# KiCad board trifecta.kicad_pcb
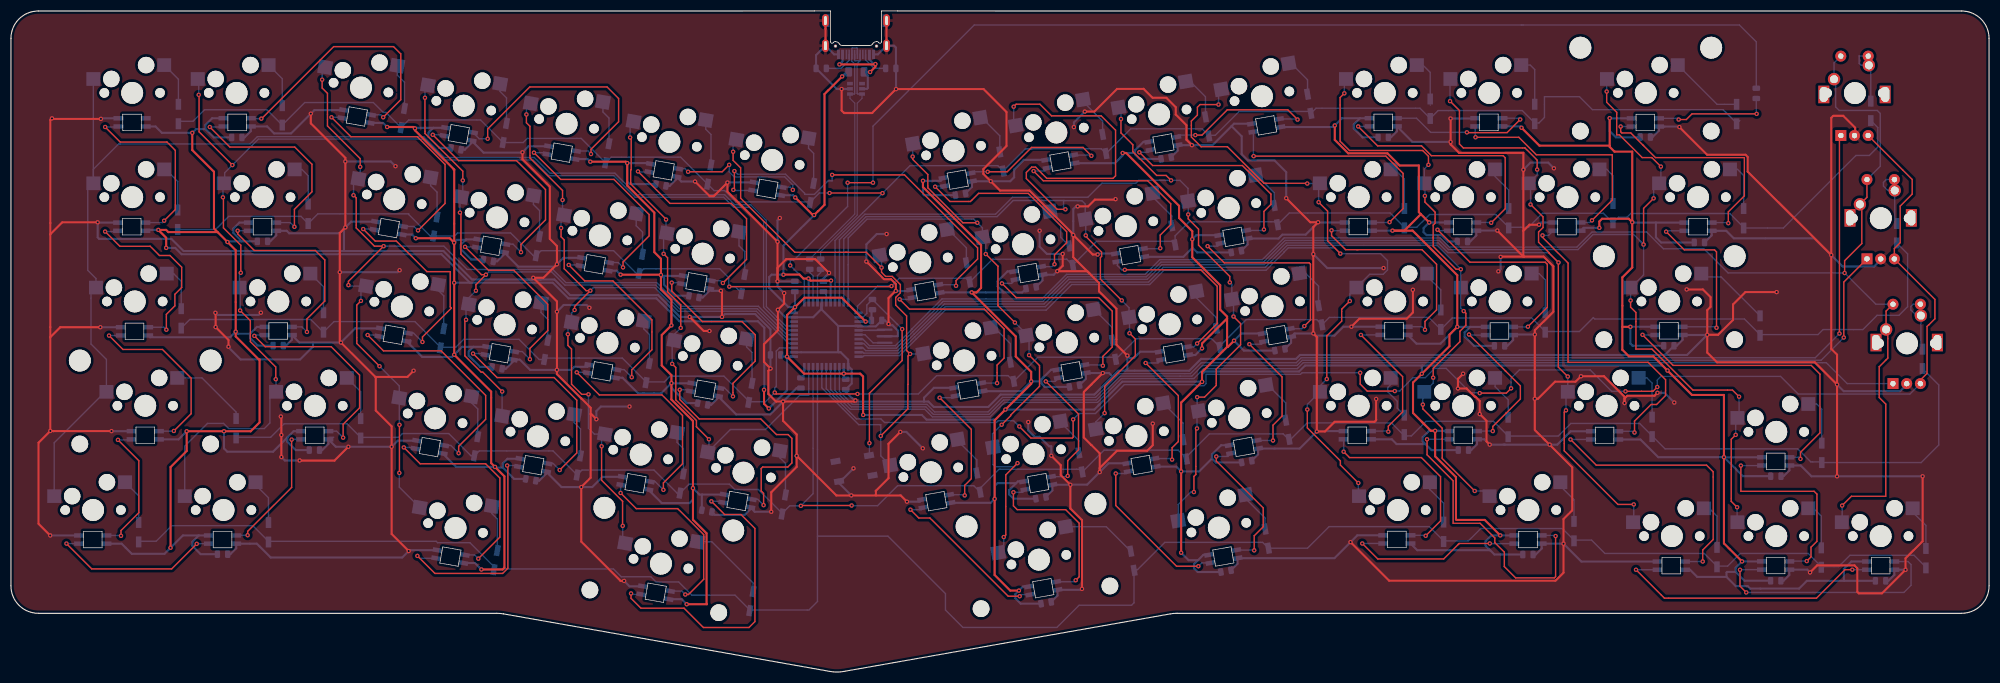
[diagram p0: board, top side]
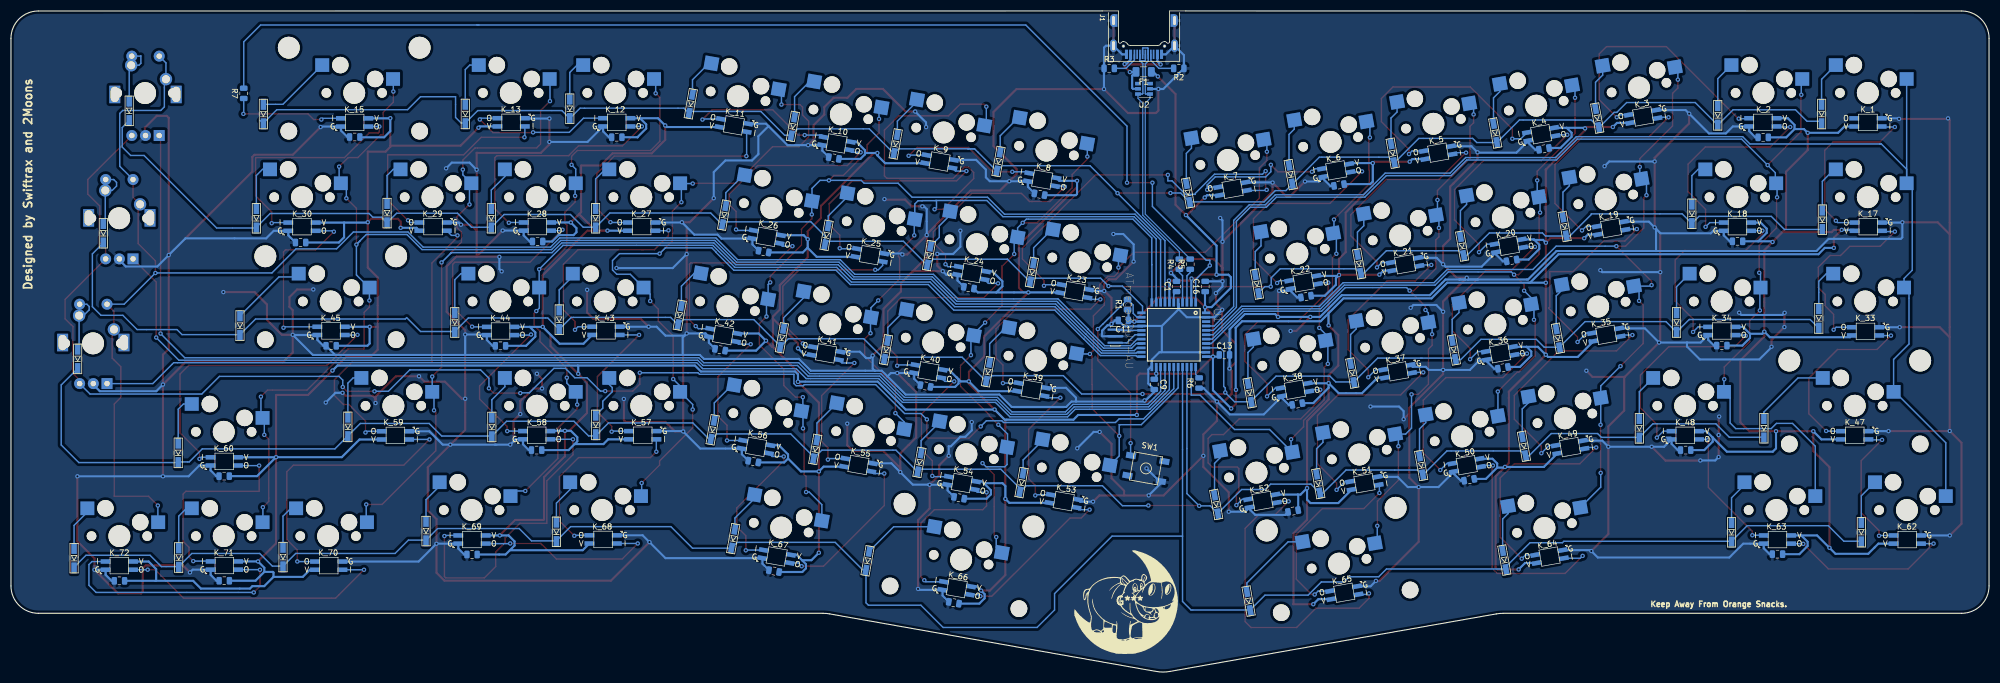
[diagram p1: board, bottom side, seen from below]

Outline 360.99 x 120.76 mm; copper layers: Top, Bottom. Coordinates in mm from the lower left corner of the outline.
Outline path: 146.6,120.76 5,120.75 arc(1.46,119.29) 0,115.75 0,15.73 arc(1.46,12.19) 5,10.73 88.68,10.73 arc(89.29,10.7) 89.9,10.62 149.52,0.11 arc(150.73,0) 151.95,0.11 211.57,10.62 arc(212.18,10.7) 212.79,10.73 355.99,10.73 arc(359.53,12.19) 360.99,15.73 360.99,115.75 arc(359.53,119.29) 355.99,120.75 161.84,120.76

## Placement (name value [footprint] x y rotation side)
C1  1uF  [C_0805_2012Metric]  148.28 70.43 90 bottom
C2  0.1uF  [C_0805_2012Metric]  41.22 97.67 0 bottom
C4  0.1uF  [C_0805_2012Metric]  81.22 95.58 350 bottom
C6  0.1uF  [C_0805_2012Metric]  118.62 88.97 350 bottom
C8  0.1uF  [C_0805_2012Metric]  173.28 87.28 10 bottom
C9  0.1uF  [C_0805_2012Metric]  152.34 52.55 270 bottom
C10  0.1uF  [C_0805_2012Metric]  210.82 93.9 10 bottom
C11  0.1uF  [C_0805_2012Metric]  157.98 64.23 0 bottom
C12  0.1uF  [C_0805_2012Metric]  250.43 97.69 0 bottom
C13  0.1uF  [C_0805_2012Metric]  139.54 57.93 180 bottom
C15  0.1uF  [C_0805_2012Metric]  298.26 97.73 0 bottom
C16  10uF  [C_0805_2012Metric]  143.05 70.43 90 bottom
C18  0.1uF  [C_0805_2012Metric]  45.9 78.68 0 bottom
C20  0.1uF  [C_0805_2012Metric]  87.13 75.19 350 bottom
C22  0.1uF  [C_0805_2012Metric]  124.65 68.59 350 bottom
C24  0.1uF  [C_0805_2012Metric]  186.17 70.21 10 bottom
C26  0.1uF  [C_0805_2012Metric]  223.63 76.81 10 bottom
C28  0.1uF  [C_0805_2012Metric]  264.89 78.64 0 bottom
C30  0.1uF  [C_0805_2012Metric]  308.14 78.47 0 bottom
C34  0.1uF  [C_0805_2012Metric]  48.77 59.63 0 bottom
C36  0.1uF  [C_0805_2012Metric]  88.71 55.57 350 bottom
C38  0.1uF  [C_0805_2012Metric]  126.24 48.97 350 bottom
C40  0.1uF  [C_0805_2012Metric]  194.1 52.25 10 bottom
C42  0.1uF  [C_0805_2012Metric]  231.58 58.88 10 bottom
C44  0.1uF  [C_0805_2012Metric]  271.66 59.59 0 bottom
C45  0.1uF  [C_0805_2012Metric]  302.56 59.6 0 bottom
C48  0.1uF  [C_0805_2012Metric]  55.38 40.54 0 bottom
C50  0.1uF  [C_0805_2012Metric]  94.87 35.12 350 bottom
C52  0.1uF  [C_0805_2012Metric]  127 29.41 350 bottom
C54  0.1uF  [C_0805_2012Metric]  187.96 31.83 10 bottom
C56  0.1uF  [C_0805_2012Metric]  225.52 38.45 10 bottom
C58  0.1uF  [C_0805_2012Metric]  265.07 40.55 0 bottom
C60  0.1uF  [C_0805_2012Metric]  322.08 35.79 0 bottom
C63  0.1uF  [C_0805_2012Metric]  38.61 21.53 0 bottom
C66  0.1uF  [C_0805_2012Metric]  188.91 12.66 10 bottom
C67  0.1uF  [C_0805_2012Metric]  221.73 18.44 10 bottom
C69  0.1uF  [C_0805_2012Metric]  276.84 21.47 0 bottom
C71  0.1uF  [C_0805_2012Metric]  322.07 16.68 0 bottom
C72  0.1uF  [C_0805_2012Metric]  341.2 16.66 0 bottom
D_1  D  [D3_SMD_v2]  30.56 101.93 90 bottom
D_2  D  [D3_SMD_v2]  49.51 101.69 90 bottom
D_3  D  [D3_SMD_v2]  71.51 101.2 80 bottom
D_4  D  [D3_SMD_v2]  90.13 98.48 80 bottom
D_5  D  [D3_SMD_v2]  108.83 94.77 80 bottom
D_6  D  [D3_SMD_v2]  127.45 90.88 80 bottom
D_7  D  [D3_SMD_v2]  146.18 87.51 80 bottom
D_8  D  [D3_SMD_v2]  180.77 93.26 100 bottom
D_9  D  [D3_SMD_v2]  199.53 96.46 100 bottom
D_10  D  [D3_SMD_v2]  218.3 99.67 100 bottom
D_11  D  [D3_SMD_v2]  236.92 103.81 100 bottom
D_12  D  [D3_SMD_v2]  259.01 102.9 90 bottom
D_13  D  [D3_SMD_v2]  278.08 101.94 90 bottom
D_15  D  [D3_SMD_v2]  314.92 101.93 90 bottom
D_17  D  [D3_SMD_v2]  30.42 82.62 90 bottom
D_18  D  [D3_SMD_v2]  54.24 83.71 90 bottom
D_19  D  [D3_SMD_v2]  77.45 81.4 80 bottom
D_20  D  [D3_SMD_v2]  96.16 77.82 80 bottom
D_21  D  [D3_SMD_v2]  114.95 74.57 80 bottom
D_22  D  [D3_SMD_v2]  133.61 70.87 80 bottom
D_23  D  [D3_SMD_v2]  174.67 73 100 bottom
D_24  D  [D3_SMD_v2]  193.46 76.08 100 bottom
D_25  D  [D3_SMD_v2]  212.15 79.78 100 bottom
D_26  D  [D3_SMD_v2]  230.85 83.46 100 bottom
D_27  D  [D3_SMD_v2]  254.3 82.9 90 bottom
D_28  D  [D3_SMD_v2]  273.33 82.9 90 bottom
D_29  D  [D3_SMD_v2]  292.36 83.83 90 bottom
D_30  D  [D3_SMD_v2]  316.21 82.89 90 bottom
D_31  D  [D3_SMD_v2]  339.41 102.51 90 bottom
D_33  D  [D3_SMD_v2]  31.07 64.6 90 bottom
D_34  D  [D3_SMD_v2]  57.03 63.86 90 bottom
D_35  D  [D3_SMD_v2]  78.68 60.97 80 bottom
D_36  D  [D3_SMD_v2]  97.67 58.84 80 bottom
D_37  D  [D3_SMD_v2]  116.21 54.62 80 bottom
D_38  D  [D3_SMD_v2]  134.94 51 80 bottom
D_39  D  [D3_SMD_v2]  182.7 54.85 100 bottom
D_40  D  [D3_SMD_v2]  201.29 58.87 100 bottom
D_41  D  [D3_SMD_v2]  220.3 61.06 100 bottom
D_42  D  [D3_SMD_v2]  238.94 65.18 100 bottom
D_43  D  [D3_SMD_v2]  260.94 64.37 90 bottom
D_44  D  [D3_SMD_v2]  280 63.86 90 bottom
D_45  D  [D3_SMD_v2]  319.2 63.29 90 bottom
D_46  D  [D3_SMD_v2]  344.14 80.16 90 bottom
D_47  D  [D3_SMD_v2]  41.09 44.54 90 bottom
D_48  D  [D3_SMD_v2]  63.82 44.52 90 bottom
D_49  D  [D3_SMD_v2]  84.88 41.25 80 bottom
D_50  D  [D3_SMD_v2]  103.63 37.75 80 bottom
D_51  D  [D3_SMD_v2]  122.41 34.44 80 bottom
D_52  D  [D3_SMD_v2]  141.04 30.61 80 bottom
D_53  D  [D3_SMD_v2]  176.58 34.61 100 bottom
D_54  D  [D3_SMD_v2]  195.2 38.3 100 bottom
D_55  D  [D3_SMD_v2]  214.21 40.67 100 bottom
D_56  D  [D3_SMD_v2]  232.95 44.25 100 bottom
D_57  D  [D3_SMD_v2]  254.28 45.14 90 bottom
D_58  D  [D3_SMD_v2]  273.23 44.77 90 bottom
D_59  D  [D3_SMD_v2]  299.51 44.78 90 bottom
D_60  D  [D3_SMD_v2]  330.47 40.04 90 bottom
D_61  D  [D3_SMD_v2]  348.83 57.21 90 bottom
D_62  D  [D3_SMD_v2]  23.31 25.55 90 bottom
D_63  D  [D3_SMD_v2]  46.99 25.53 90 bottom
D_64  D  [D3_SMD_v2]  88.46 20.45 80 bottom
D_65  D  [D3_SMD_v2]  135.13 12.96 80 bottom
D_66  D  [D3_SMD_v2]  204.67 20.33 100 bottom
D_67  D  [D3_SMD_v2]  229.18 24.37 100 bottom
D_68  D  [D3_SMD_v2]  261.45 25.61 90 bottom
D_69  D  [D3_SMD_v2]  285.25 25.75 90 bottom
D_70  D  [D3_SMD_v2]  311.35 21 90 bottom
D_71  D  [D3_SMD_v2]  330.38 20.91 90 bottom
D_72  D  [D3_SMD_v2]  349.47 20.8 90 bottom
F1  500mA  [Fuse_1206_3216Metric]  154.28 109.64 0 bottom
G***  LOGO  [image1]  156.84 12.99 180 bottom
J1  USB2_C_Receptacle  [Mid_Mount-USB_C_HandSoldering]  154.22 120.76 90 bottom
K_1  KEYSW  [MXOnly-1U-Hotswap]  22.12 105.79 0 top
K_2  KEYSW  [MXOnly-1U-Hotswap]  41.17 105.79 0 top
K_3  KEYSW  [MXOnly-1U-Hotswap]  63.88 106.76 350 top
K_4  KEYSW  [MXOnly-1U-Hotswap]  82.64 103.46 350 top
K_5  KEYSW  [MXOnly-1U-Hotswap]  101.4 100.15 350 top
K_6  KEYSW  [MXOnly-1U-Hotswap]  120.16 96.84 350 top
K_7  KEYSW  [MXOnly-1U-Hotswap]  138.92 93.53 350 top
K_8  KEYSW  [MXOnly-1U-Hotswap]  172.02 95.26 10 top
K_9  KEYSW  [MXOnly-1U-Hotswap]  190.78 98.56 10 top
K_10  KEYSW  [MXOnly-1U-Hotswap]  209.54 101.87 10 top
K_11  KEYSW  [MXOnly-1U-Hotswap]  228.3 105.18 10 top
K_12  KEYSW  [MXOnly-1U-Hotswap]  250.72 105.79 0 top
K_13  KEYSW  [MXOnly-1U-Hotswap]  269.77 105.79 0 top
K_15  KEYSW  [MXOnly-2U-Hotswap-ReversedStabilizers]  298.35 105.79 0 top
K_17  KEYSW  [MXOnly-1.5U-Hotswap]  22.12 86.74 0 top
K_18  KEYSW  [MXOnly-1U-Hotswap]  45.94 86.74 0 top
K_19  KEYSW  [MXOnly-1U-Hotswap]  69.95 86.35 350 top
K_20  KEYSW  [MXOnly-1U-Hotswap]  88.71 83.04 350 top
K_21  KEYSW  [MXOnly-1U-Hotswap]  107.47 79.73 350 top
K_22  KEYSW  [MXOnly-1U-Hotswap]  126.23 76.43 350 top
K_23  KEYSW  [MXOnly-1U-Hotswap]  165.95 74.84 10 top
K_24  KEYSW  [MXOnly-1U-Hotswap]  184.71 78.15 10 top
K_25  KEYSW  [MXOnly-1U-Hotswap]  203.47 81.46 10 top
K_26  KEYSW  [MXOnly-1U-Hotswap]  222.23 84.76 10 top
K_27  KEYSW  [MXOnly-1U-Hotswap]  245.96 86.74 0 top
K_28  KEYSW  [MXOnly-1U-Hotswap]  265.01 86.74 0 top
K_29  KEYSW  [MXOnly-1U-Hotswap]  284.06 86.74 0 top
K_30  KEYSW  [MXOnly-1U-Hotswap]  307.87 86.74 0 top
K_31  KEYSW  [MXOnly-1U-NoLED]  336.52 105.76 0 top
K_33  KEYSW  [MXOnly-1.75U-Hotswap]  22.6 67.69 0 top
K_34  KEYSW  [MXOnly-1U-Hotswap]  48.79 67.69 0 top
K_35  KEYSW  [MXOnly-1U-Hotswap]  71.33 66.76 350 top
K_36  KEYSW  [MXOnly-1U-Hotswap]  90.09 63.45 350 top
K_37  KEYSW  [MXOnly-1U-Hotswap]  108.85 60.15 350 top
K_38  KEYSW  [MXOnly-1U-Hotswap]  127.61 56.84 350 top
K_39  KEYSW  [MXOnly-1U-Hotswap]  173.94 56.91 10 top
K_40  KEYSW  [MXOnly-1U-Hotswap]  192.69 60.2 10 top
K_41  KEYSW  [MXOnly-1U-Hotswap]  211.47 63.52 10 top
K_42  KEYSW  [MXOnly-1U-Hotswap]  230.23 66.83 10 top
K_43  KEYSW  [MXOnly-1U-Hotswap]  252.63 67.69 0 top
K_44  KEYSW  [MXOnly-1U-Hotswap]  271.68 67.69 0 top
K_45  KEYSW  [MXOnly-2.25U-Hotswap-ReversedStabilizers]  302.64 67.69 0 top
K_46  KEYSW  [MXOnly-1U-NoLED]  341.24 82.9 0 top
K_47  KEYSW  [MXOnly-2.25U-Hotswap-ReversedStabilizers]  24.51 48.64 0 top
K_48  KEYSW  [MXOnly-1U-Hotswap]  55.46 48.64 0 top
K_49  KEYSW  [MXOnly-1U-Hotswap]  77.4 46.35 350 top
K_50  KEYSW  [MXOnly-1U-Hotswap]  96.17 43.04 350 top
K_51  KEYSW  [MXOnly-1U-Hotswap]  114.93 39.73 350 top
K_52  KEYSW  [MXOnly-1U-Hotswap]  133.69 36.42 350 top
K_53  KEYSW  [MXOnly-1U-Hotswap]  167.87 36.49 10 top
K_54  KEYSW  [MXOnly-1U-Hotswap]  186.63 39.8 10 top
K_55  KEYSW  [MXOnly-1U-Hotswap]  205.39 43.11 10 top
K_56  KEYSW  [MXOnly-1U-Hotswap]  224.15 46.42 10 top
K_57  KEYSW  [MXOnly-1U-Hotswap]  245.96 48.64 0 top
K_58  KEYSW  [MXOnly-1U-Hotswap]  265.01 48.64 0 top
K_59  KEYSW  [MXOnly-1.75U-Hotswap]  291.21 48.64 0 top
K_60  KEYSW  [MXOnly-1U-Hotswap]  322.16 43.88 0 top
K_61  KEYSW  [MXOnly-1U-NoLED]  346.02 60.04 0 top
K_62  KEYSW  [MXOnly-1.25U-Hotswap]  14.98 29.59 0 top
K_63  KEYSW  [MXOnly-1.25U-Hotswap]  38.79 29.59 0 top
K_64  KEYSW  [MXOnly-1.25U-Hotswap]  81.14 26.32 350 top
K_65  KEYSW  [MXOnly-2.75U-Hotswap-ReversedStabilizers]  118.62 19.8 350 top
K_66  KEYSW  [MXOnly-2.25U-Hotswap-ReversedStabilizers]  187.59 20.53 10 top
K_67  KEYSW  [MXOnly-1.25U-Hotswap]  220.43 26.38 10 top
K_68  KEYSW  [MXOnly-1.25U-Hotswap]  253.11 29.59 0 top
K_69  KEYSW  [MXOnly-1.25U-Hotswap]  276.92 29.59 0 top
K_70  KEYSW  [MXOnly-1U-Hotswap]  303.11 24.83 0 top
K_71  KEYSW  [MXOnly-1U-Hotswap]  322.16 24.83 0 top
K_72  KEYSW  [MXOnly-1U-Hotswap]  341.21 24.83 0 top
LED1  -  [YS-SK6812MINI-E]  22.1 100.4 0 bottom
LED2  -  [YS-SK6812MINI-E]  41.28 100.41 180 bottom
LED3  -  [YS-SK6812MINI-E]  63.12 101.48 350 bottom
LED4  -  [YS-SK6812MINI-E]  81.73 98.24 170 bottom
LED5  -  [YS-SK6812MINI-E]  100.52 94.88 350 bottom
LED6  -  [YS-SK6812MINI-E]  119.13 91.64 170 bottom
LED7  -  [YS-SK6812MINI-E]  138.05 88.27 350 bottom
LED8  -  [YS-SK6812MINI-E]  172.79 89.95 190 bottom
LED9  -  [YS-SK6812MINI-E]  191.52 93.25 10 bottom
LED10  -  [YS-SK6812MINI-E]  210.33 96.55 190 bottom
LED11  -  [YS-SK6812MINI-E]  229.07 99.86 10 bottom
LED12  -  [YS-SK6812MINI-E]  250.44 100.42 180 bottom
LED13  -  [YS-SK6812MINI-E]  269.71 100.42 0 bottom
LED15  -  [YS-SK6812MINI-E]  298.27 100.4 180 bottom
LED17  -  [YS-SK6812MINI-E]  22.04 81.35 0 bottom
LED18  -  [YS-SK6812MINI-E]  45.91 81.35 180 bottom
LED19  -  [YS-SK6812MINI-E]  68.96 81.1 350 bottom
LED20  -  [YS-SK6812MINI-E]  87.63 77.86 170 bottom
LED21  -  [YS-SK6812MINI-E]  106.56 74.49 350 bottom
LED22  -  [YS-SK6812MINI-E]  125.1 71.19 170 bottom
LED23  -  [YS-SK6812MINI-E]  166.89 69.58 10 bottom
LED24  -  [YS-SK6812MINI-E]  185.66 72.88 190 bottom
LED25  -  [YS-SK6812MINI-E]  204.25 76.15 10 bottom
LED26  -  [YS-SK6812MINI-E]  223.09 79.49 190 bottom
LED27  -  [YS-SK6812MINI-E]  245.89 81.37 0 bottom
LED28  -  [YS-SK6812MINI-E]  264.92 81.37 180 bottom
LED29  -  [YS-SK6812MINI-E]  283.96 81.36 0 bottom
LED30  -  [YS-SK6812MINI-E]  307.88 81.35 180 bottom
LED33  -  [YS-SK6812MINI-E]  22.55 62.24 0 bottom
LED34  -  [YS-SK6812MINI-E]  48.77 62.3 180 bottom
LED35  -  [YS-SK6812MINI-E]  69.85 61.6 350 bottom
LED36  -  [YS-SK6812MINI-E]  89.22 58.24 170 bottom
LED37  -  [YS-SK6812MINI-E]  107.89 54.94 350 bottom
LED38  -  [YS-SK6812MINI-E]  126.69 51.57 170 bottom
LED39  -  [YS-SK6812MINI-E]  174.73 51.62 10 bottom
LED40  -  [YS-SK6812MINI-E]  193.56 54.93 190 bottom
LED41  -  [YS-SK6812MINI-E]  212.24 58.21 10 bottom
LED42  -  [YS-SK6812MINI-E]  231.02 61.54 190 bottom
LED43  -  [YS-SK6812MINI-E]  252.41 62.33 0 bottom
LED44  -  [YS-SK6812MINI-E]  271.64 62.3 180 bottom
LED45  -  [YS-SK6812MINI-E]  302.58 62.32 180 bottom
LED47  -  [YS-SK6812MINI-E]  24.51 43.25 0 bottom
LED48  -  [YS-SK6812MINI-E]  55.44 43.25 180 bottom
LED49  -  [YS-SK6812MINI-E]  76.46 41.09 350 bottom
LED50  -  [YS-SK6812MINI-E]  95.32 37.79 170 bottom
LED51  -  [YS-SK6812MINI-E]  113.99 34.49 350 bottom
LED52  -  [YS-SK6812MINI-E]  132.59 31.25 170 bottom
LED53  -  [YS-SK6812MINI-E]  168.87 31.22 10 bottom
LED54  -  [YS-SK6812MINI-E]  187.47 34.52 190 bottom
LED55  -  [YS-SK6812MINI-E]  206.33 37.82 10 bottom
LED56  -  [YS-SK6812MINI-E]  225 41.13 190 bottom
LED57  -  [YS-SK6812MINI-E]  245.7 43.26 0 bottom
LED58  -  [YS-SK6812MINI-E]  265.05 43.27 180 bottom
LED59  -  [YS-SK6812MINI-E]  290.83 43.23 0 bottom
LED60  -  [YS-SK6812MINI-E]  322.07 38.48 180 bottom
LED62  -  [YS-SK6812MINI-E]  14.93 24.2 0 bottom
LED63  -  [YS-SK6812MINI-E]  38.61 24.2 180 bottom
LED64  -  [YS-SK6812MINI-E]  80.2 21.09 350 bottom
LED65  -  [YS-SK6812MINI-E]  117.67 14.49 350 bottom
LED66  -  [YS-SK6812MINI-E]  188.39 15.32 190 bottom
LED67  -  [YS-SK6812MINI-E]  221.25 21.11 190 bottom
LED68  -  [YS-SK6812MINI-E]  252.92 24.23 0 bottom
LED69  -  [YS-SK6812MINI-E]  276.86 24.21 180 bottom
LED70  -  [YS-SK6812MINI-E]  303.01 19.43 0 bottom
LED71  -  [YS-SK6812MINI-E]  322.05 19.46 180 bottom
LED72  -  [YS-SK6812MINI-E]  341.22 19.44 180 bottom
R1  10k  [R_0805_2012Metric]  157.22 67.13 90 bottom
R2  5.1k  [R_0805_2012Metric]  147.87 110.27 0 bottom
R3  5.1k  [R_0805_2012Metric]  160.57 110.27 180 bottom
R4  22  [R_0805_2012Metric]  147.76 74.51 90 bottom
R5  22  [R_0805_2012Metric]  145.78 74.51 90 bottom
R6  10k  [R_0805_2012Metric]  144.16 52.8 90 bottom
R7  510 ohm  [R_0805_2012Metric]  318.52 105.71 90 bottom
SW1  SW_Push  [SKQG-1155865]  153.86 37.2 190 bottom
SW2  Rotary_Encoder_Switch  [RotaryEncoder_EC11]  336.44 105.51 90 top
SW3  Rotary_Encoder_Switch  [RotaryEncoder_EC11]  341.21 82.97 90 top
SW4  Rotary_Encoder_Switch  [RotaryEncoder_EC11]  345.96 60.19 90 top
U1  ATmega32U4-AU  [ATMEGA32U4-AU]  148.79 61.62 270 bottom
U2  SRV05-4  [SOT-23-6]  154.22 106.54 0 bottom
Y1  16MHz  [Resonator_SMD_muRata_CSTxExxV-3Pin_3.0x1.1mm_HandSoldering_Compact]  159.48 61.35 90 bottom

## Footprints (pads in the part's own frame, mm; a bottom-side part is the same pattern mirrored in y, then rotated)
ATMEGA32U4-AU
  rect 1.5x0.5 smd: 1(-5.9,4) 2(-5.9,3.2) 3(-5.9,2.4) 4(-5.9,1.6) 5(-5.9,0.8) 6(-5.9,0) 7(-5.9,-0.8) 8(-5.9,-1.6) 9(-5.9,-2.4) 10(-5.9,-3.2) 11(-5.9,-4) 23(5.9,-4) 24(5.9,-3.2) 25(5.9,-2.4) 26(5.9,-1.6) 27(5.9,-0.8) 28(5.9,0) 29(5.9,0.8) 30(5.9,1.6) 31(5.9,2.4) 32(5.9,3.2) 33(5.9,4)
  rect 0.5x1.5 smd: 12(-4,-5.9) 13(-3.2,-5.9) 14(-2.4,-5.9) 15(-1.6,-5.9) 16(-0.8,-5.9) 17(0,-5.9) 18(0.8,-5.9) 19(1.6,-5.9) 20(2.4,-5.9) 21(3.2,-5.9) 22(4,-5.9) 34(4,5.9) 35(3.2,5.9) 36(2.4,5.9) 37(1.6,5.9) 38(0.8,5.9) 39(0,5.9) 40(-0.8,5.9) 41(-1.6,5.9) 42(-2.4,5.9) 43(-3.2,5.9) 44(-4,5.9)
C_0805_2012Metric
  rrect 0.975x1.4 smd: 1(-0.938,0) 2(0.938,0)
D3_SMD_v2
  rect 1.4x1 smd: (-1.775,0) (1.775,0)
  rect 2x1 smd: 1(-1.775,0) 2(1.775,0)
Fuse_1206_3216Metric
  rrect 1.25x1.75 smd: 1(-1.4,0) 2(1.4,0)
Mid_Mount-USB_C_HandSoldering
  round 0.6 hole 0.4 unplated: (-6.43,-3.75) (-6.43,3.75)
  rect 1.7x0.55 smd: A1B12(-7.93,-3.2) A4B9(-7.93,-2.45) B1A12(-7.93,3.2) B4A9(-7.93,2.45)
  rect 1.7x0.3 smd: A5(-7.93,-1.25) A6(-7.93,-0.25) A7(-7.93,0.25) A8(-7.93,1.25) B5(-7.93,1.75) B6(-7.93,0.75) B7(-7.93,-0.75) B8(-7.93,-1.75)
  oval 2.3x1.2 hole 1.65x0.5: S1(-6.35,-5.575) S1(-6.35,5.575) S1(-1.75,-5.575) S1(-1.75,5.575)
  rect 2.3x0.7 smd: S1(-1.75,-5.2) S1(-1.75,5.2)
MXOnly-1.5U-Hotswap
  round 1.75 hole 1.75 unplated: (-5.08,0) (5.08,0)
  round 3 hole 3 unplated: (-3.81,2.54) (2.54,5.08)
  round 3.988 hole 3.988 unplated: (0,0)
  rect 2.55x2.5 smd far side: 1(-7.085,2.54) 2(5.842,5.08)
MXOnly-1.25U-Hotswap
  round 1.75 hole 1.75 unplated: (-5.08,0) (5.08,0)
  round 3 hole 3 unplated: (-3.81,2.54) (2.54,5.08)
  round 3.988 hole 3.988 unplated: (0,0)
  rect 2.55x2.5 smd far side: 1(-7.085,2.54) 2(5.842,5.08)
MXOnly-1.75U-Hotswap
  round 1.75 hole 1.75 unplated: (-5.08,0) (5.08,0)
  round 3 hole 3 unplated: (-3.81,2.54) (2.54,5.08)
  round 3.988 hole 3.988 unplated: (0,0)
  rect 2.55x2.5 smd far side: 1(-7.085,2.54) 2(5.842,5.08)
MXOnly-1U-Hotswap
  round 1.75 hole 1.75 unplated: (-5.08,0) (5.08,0)
  round 3 hole 3 unplated: (-3.81,2.54) (2.54,5.08)
  round 3.988 hole 3.988 unplated: (0,0)
  rect 2.55x2.5 smd far side: 1(-7.085,2.54) 2(5.842,5.08)
MXOnly-1U-NoLED
  round 1.75 hole 1.75 unplated: (-5.08,0) (5.08,0)
  round 3.988 hole 3.988 unplated: (0,0)
  round 2.25 hole 1.47: 1(-3.81,2.54) 2(2.54,5.08)
MXOnly-2.25U-Hotswap-ReversedStabilizers
  round 3.988 hole 3.988 unplated: (-11.938,8.255) (0,0) (11.938,8.255)
  round 3.048 hole 3.048 unplated: (-11.938,-6.985) (11.938,-6.985)
  round 1.75 hole 1.75 unplated: (-5.08,0) (5.08,0)
  round 3 hole 3 unplated: (-3.81,2.54) (2.54,5.08)
  rect 2.55x2.5 smd far side: 1(-7.085,2.54) 2(5.842,5.08)
MXOnly-2.75U-Hotswap-ReversedStabilizers
  round 3.988 hole 3.988 unplated: (-11.938,8.255) (0,0) (11.938,8.255)
  round 3.048 hole 3.048 unplated: (-11.938,-6.985) (11.938,-6.985)
  round 1.75 hole 1.75 unplated: (-5.08,0) (5.08,0)
  round 3 hole 3 unplated: (-3.81,2.54) (2.54,5.08)
  rect 2.55x2.5 smd far side: 1(-7.085,2.54) 2(5.842,5.08)
MXOnly-2U-Hotswap-ReversedStabilizers
  round 3.988 hole 3.988 unplated: (-11.938,8.255) (0,0) (11.938,8.255)
  round 3.048 hole 3.048 unplated: (-11.938,-6.985) (11.938,-6.985)
  round 1.75 hole 1.75 unplated: (-5.08,0) (5.08,0)
  round 3 hole 3 unplated: (-3.81,2.54) (2.54,5.08)
  rect 2.55x2.5 smd far side: 1(-7.085,2.54) 2(5.842,5.08)
R_0805_2012Metric
  rrect 0.975x1.4 smd: 1(-0.938,0) 2(0.938,0)
Resonator_SMD_muRata_CSTxExxV-3Pin_3.0x1.1mm_HandSoldering_Compact
  rrect 0.4x2.8 smd: 1(-1.2,0) 2(0,0) 3(1.2,0)
RotaryEncoder_EC11
  rect 3.2x2 hole 2.8x1.5 unplated: (0,5.6) (0,-5.6)
  rect 2x2 hole 1: A(-7.5,2.5)
  round 2 hole 1: B(-7.5,-2.5) C(-7.5,0) S1(7,-2.5) S2(7,2.5)
SKQG-1155865
  rect 1.8x1.1 smd: 1(3.1,-1.85) 2(-3.1,1.85) 3(3.1,1.85) 4(-3.1,-1.85)
SOT-23-6
  rect 1.06x0.65 smd: 1(-1.1,0.95) 2(-1.1,0) 3(-1.1,-0.95) 4(1.1,-0.95) 5(1.1,0) 6(1.1,0.95)
YS-SK6812MINI-E
  rect 1.8x0.82 smd: 1(2.5,0.75) 2(2.5,-0.75) 3(-2.5,-0.75) 4(-2.5,0.75)

## Nets
+5V: C2.1 C4.1 C6.1 C8.1 C9.1 C10.1 C11.1 C12.1 C13.1 C15.1 C16.1 C18.1 C20.1 C22.1 C24.1 C26.1 C28.1 C30.1 C34.1 C36.1 C38.1 C40.1 C42.1 C44.1 C45.1 C48.1 C50.1 C52.1 C54.1 C56.1 C58.1 C60.1 C63.1 C66.1 C67.1 C69.1 C71.1 C72.1 F1.1 LED1.1 LED2.1 LED3.1 LED4.1 LED5.1 LED6.1 LED7.1 LED8.1 LED9.1 LED10.1 LED11.1 LED12.1 LED13.1 LED15.1 LED17.1 LED18.1 LED19.1 LED20.1 LED21.1 LED22.1 LED23.1 LED24.1 LED25.1 LED26.1 LED27.1 LED28.1 LED29.1 LED30.1 LED33.1 LED34.1 LED35.1 LED36.1 LED37.1 LED38.1 LED39.1 LED40.1 LED41.1 LED42.1 LED43.1 LED44.1 LED45.1 LED47.1 LED48.1 LED49.1 LED50.1 LED51.1 LED52.1 LED53.1 LED54.1 LED55.1 LED56.1 LED57.1 LED58.1 LED59.1 LED60.1 LED62.1 LED63.1 LED64.1 LED65.1 LED66.1 LED67.1 LED68.1 LED69.1 LED70.1 LED71.1 LED72.1 R1.1 U1.2 U1.7 U1.14 U1.24 U1.34 U1.44
GND: C1.2 C2.2 C4.2 C6.2 C8.2 C9.2 C10.2 C11.2 C12.2 C13.2 C15.2 C16.2 C18.2 C20.2 C22.2 C24.2 C26.2 C28.2 C30.2 C34.2 C36.2 C38.2 C40.2 C42.2 C44.2 C45.2 C48.2 C50.2 C52.2 C54.2 C56.2 C58.2 C60.2 C63.2 C66.2 C67.2 C69.2 C71.2 C72.2 J1.A1B12 J1.B1A12 J1.S1 LED1.3 LED2.3 LED3.3 LED4.3 LED5.3 LED6.3 LED7.3 LED8.3 LED9.3 LED10.3 LED11.3 LED12.3 LED13.3 LED15.3 LED17.3 LED18.3 LED19.3 LED20.3 LED21.3 LED22.3 LED23.3 LED24.3 LED25.3 LED26.3 LED27.3 LED28.3 LED29.3 LED30.3 LED33.3 LED34.3 LED35.3 LED36.3 LED37.3 LED38.3 LED39.3 LED40.3 LED41.3 LED42.3 LED43.3 LED44.3 LED45.3 LED47.3 LED48.3 LED49.3 LED50.3 LED51.3 LED52.3 LED53.3 LED54.3 LED55.3 LED56.3 LED57.3 LED58.3 LED59.3 LED60.3 LED62.3 LED63.3 LED64.3 LED65.3 LED66.3 LED67.3 LED68.3 LED69.3 LED70.3 LED71.3 LED72.3 R2.1 R3.1 R6.1 SW1.1 SW2.C SW3.C SW4.C U1.5 U1.15 U1.23 U1.35 U1.43 U2.2 Y1.2
VBUS: F1.2 J1.A4B9 J1.B4A9 U2.5
0col: K_31.1 K_46.1 K_61.1 K_72.1 SW2.S2 SW3.S2 SW4.S2 U1.18
0row: D_31.2 K_31.2 SW2.S1
1row: D_46.2 K_46.2 SW3.S1
2row: D_61.2 K_61.2 SW4.S1
col0: K_1.1 K_17.1 K_33.1 K_47.1 K_62.1 U1.41
col1: K_2.1 K_18.1 K_34.1 K_48.1 K_63.1 U1.40
col2: K_3.1 K_19.1 K_35.1 K_49.1 K_64.1 U1.39
col3: K_4.1 K_20.1 K_36.1 K_50.1 U1.38
col4: K_5.1 K_21.1 K_37.1 K_51.1 K_65.1 U1.37
col5: K_6.1 K_22.1 K_38.1 K_52.1 U1.32
col6: K_7.1 K_23.1 K_39.1 K_53.1 U1.29
col7: K_8.1 K_24.1 K_40.1 K_54.1 K_66.1 U1.11
col8: K_9.1 K_25.1 K_41.1 K_55.1 U1.10
col9: K_10.1 K_26.1 K_42.1 K_56.1 K_67.1 U1.9
col10: K_11.1 K_27.1 K_43.1 K_57.1 K_68.1 U1.22
col11: K_12.1 K_28.1 K_44.1 K_58.1 K_69.1 U1.21
col12: K_13.1 K_29.1 K_59.1 K_70.1 U1.20
col13: K_15.1 K_30.1 K_45.1 K_60.1 K_71.1 U1.19
D+: J1.A6 J1.B6 R4.2 U2.6
D-: J1.A7 J1.B7 R5.2 U2.1
ENC0A: SW2.A U1.25
ENC1A: SW3.A U1.26
ENC2A: SW4.A U1.27
ENCB: SW2.B SW3.B SW4.B U1.28
LED: R7.2 U1.1
row0: D_1.1 D_2.1 D_3.1 D_4.1 D_5.1 D_6.1 D_7.1 D_8.1 D_9.1 D_10.1 D_11.1 D_12.1 D_13.1 D_15.1 U1.8
row1: D_17.1 D_18.1 D_19.1 D_20.1 D_21.1 D_22.1 D_23.1 D_24.1 D_25.1 D_26.1 D_27.1 D_28.1 D_29.1 D_30.1 D_31.1 U1.12
row2: D_33.1 D_34.1 D_35.1 D_36.1 D_37.1 D_38.1 D_39.1 D_40.1 D_41.1 D_42.1 D_43.1 D_44.1 D_45.1 D_46.1 U1.36
row3: D_47.1 D_48.1 D_49.1 D_50.1 D_51.1 D_52.1 D_53.1 D_54.1 D_55.1 D_56.1 D_57.1 D_58.1 D_59.1 D_60.1 D_61.1 U1.31
row4: D_62.1 D_63.1 D_64.1 D_65.1 D_66.1 D_67.1 D_68.1 D_69.1 D_70.1 D_71.1 D_72.1 U1.30
Net-(C1-Pad1): C1.1 U1.6
Net-(D_1-Pad2): D_1.2 K_1.2
Net-(D_2-Pad2): D_2.2 K_2.2
Net-(D_3-Pad2): D_3.2 K_3.2
Net-(D_4-Pad2): D_4.2 K_4.2
Net-(D_5-Pad2): D_5.2 K_5.2
Net-(D_6-Pad2): D_6.2 K_6.2
Net-(D_7-Pad2): D_7.2 K_7.2
Net-(D_8-Pad2): D_8.2 K_8.2
Net-(D_9-Pad2): D_9.2 K_9.2
Net-(D_10-Pad2): D_10.2 K_10.2
Net-(D_11-Pad2): D_11.2 K_11.2
Net-(D_12-Pad2): D_12.2 K_12.2
Net-(D_13-Pad2): D_13.2 K_13.2
Net-(D_15-Pad2): D_15.2 K_15.2
Net-(D_17-Pad2): D_17.2 K_17.2
Net-(D_18-Pad2): D_18.2 K_18.2
Net-(D_19-Pad2): D_19.2 K_19.2
Net-(D_20-Pad2): D_20.2 K_20.2
Net-(D_21-Pad2): D_21.2 K_21.2
Net-(D_22-Pad2): D_22.2 K_22.2
Net-(D_23-Pad2): D_23.2 K_23.2
Net-(D_24-Pad2): D_24.2 K_24.2
Net-(D_25-Pad2): D_25.2 K_25.2
Net-(D_26-Pad2): D_26.2 K_26.2
Net-(D_27-Pad2): D_27.2 K_27.2
Net-(D_28-Pad2): D_28.2 K_28.2
Net-(D_29-Pad2): D_29.2 K_29.2
Net-(D_30-Pad2): D_30.2 K_30.2
Net-(D_33-Pad2): D_33.2 K_33.2
Net-(D_34-Pad2): D_34.2 K_34.2
Net-(D_35-Pad2): D_35.2 K_35.2
Net-(D_36-Pad2): D_36.2 K_36.2
Net-(D_37-Pad2): D_37.2 K_37.2
Net-(D_38-Pad2): D_38.2 K_38.2
Net-(D_39-Pad2): D_39.2 K_39.2
Net-(D_40-Pad2): D_40.2 K_40.2
Net-(D_41-Pad2): D_41.2 K_41.2
Net-(D_42-Pad2): D_42.2 K_42.2
Net-(D_43-Pad2): D_43.2 K_43.2
Net-(D_44-Pad2): D_44.2 K_44.2